# Altium PCB amplifier.PcbDoc (part 2 of 2)
Units mm, origin at the board's own origin, x right, y up, seen from the top; angles counter-clockwise.
Board outline 150 x 200 mm, 2 copper layers (Top Layer, Bottom Layer); 155 components, 78 nets, 357 pads, 31 vias.
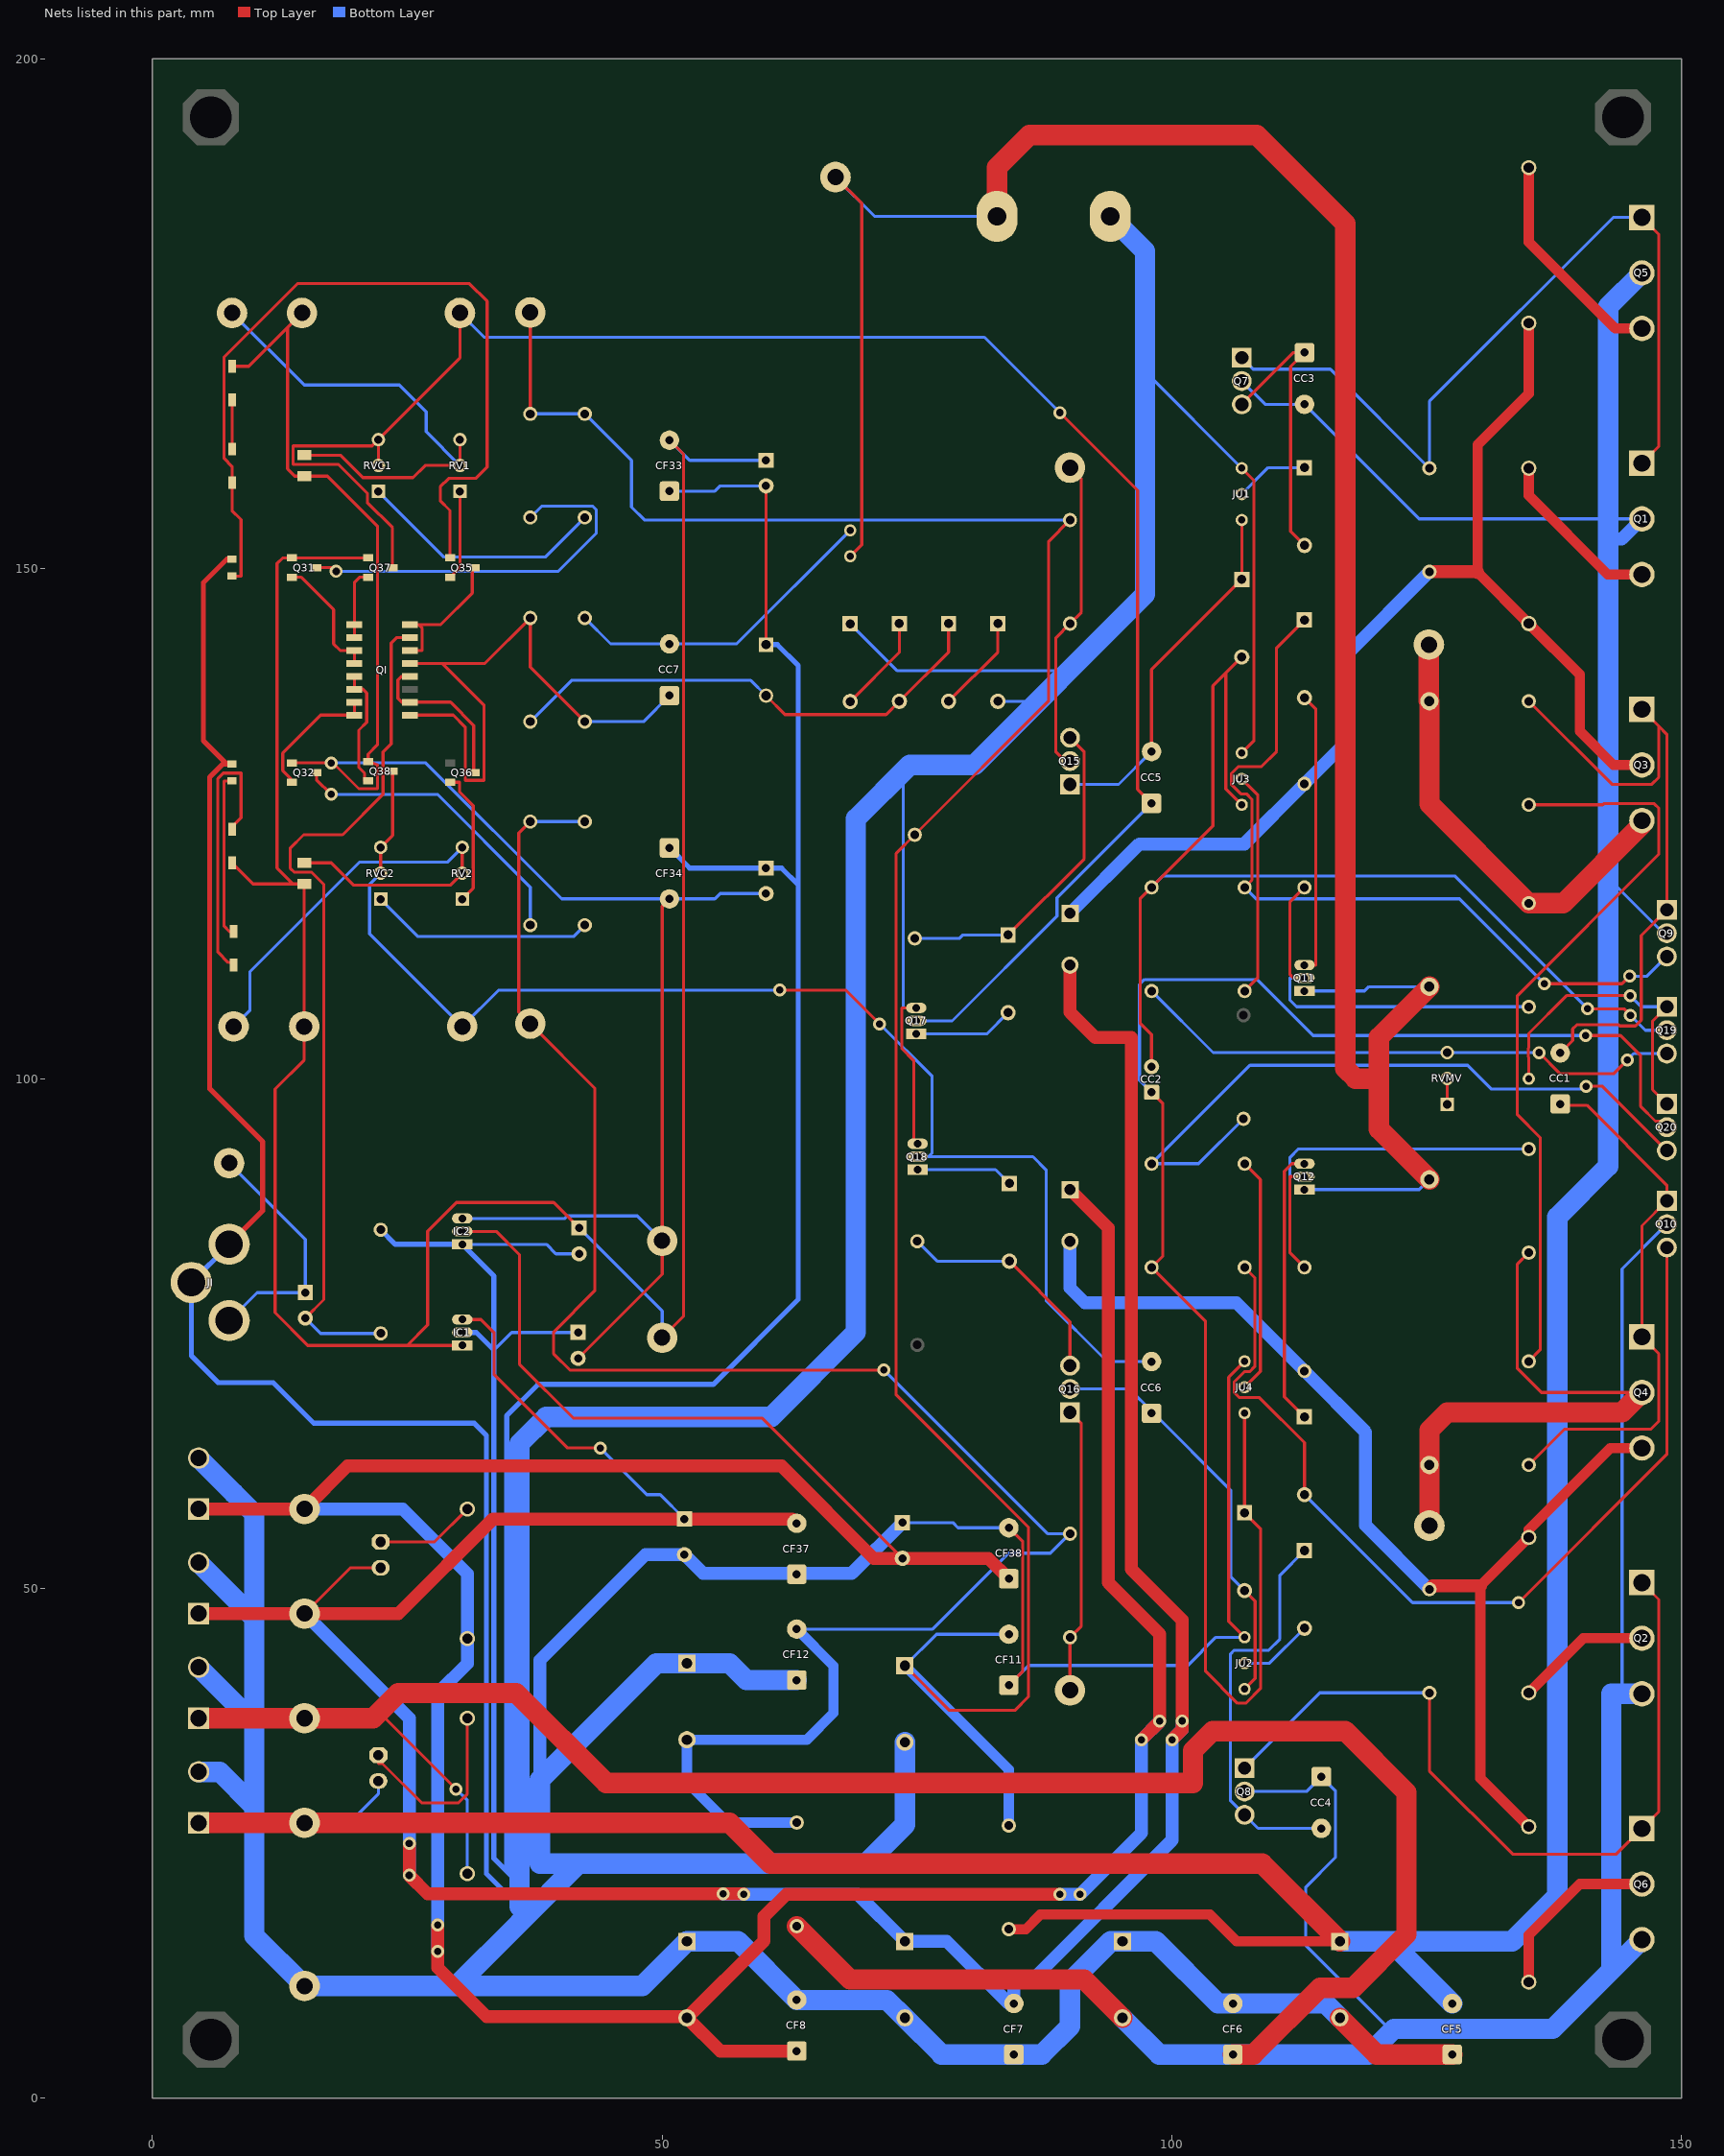
[diagram p2: the nets of this part, all layers, seen from the top]

## Part data
B1 B2 B3 B4: library part C-282822-2-C, "TERMI-BLOK HEADER,ASSY90 2P - serie 282822 - 5.00mm", Manufacturer="TE Connectivity", ComponentLink1 Description=Manufacturer, ComponentLink1URL=http://www.te.com/usa-en/home.html, ComponentLink2 Description=Datasheet, ComponentLink2URL=http://www.te.com/usa-en/product-282822-2.html, Created Date="6 MArch 2017", NoPins=02, partNo=C-282822-2-C
BO: library part 8PCV-02-006, "TE Barrier Terminal Block, 2P", Current=30A, Voltage=600V
CAF: "Aluminum Electrolytic Capacitor 1000µF 16V 20% 105º", Temperature=105ºC, Tolerance=20%, Voltage=16V, Application="Medium and high voltage type range from 160V-450V used as primary side input filter in power supply, which can be used in general switching power supply, PC power supply and industrial computer power supply,server power supply, AC-DC converter, motor drive circuit DC storage filter, digital audio, digital TV, communication base station, DC-AC inverter, inverter power supply and converters etc", Characteristics="Aluminum Electrolytic Capacitor"
CAI: "Aluminum Electrolytic Capacitor 47µF 35V 20% 105º", Temperature=105ºC, Tolerance=20%, Voltage=35V, Application="Medium and high voltage type range from 160V-450V used as primary side input filter in power supply, which can be used in general switching power supply, PC power supply and industrial computer power supply,server power supply, AC-DC converter, motor drive circuit DC storage filter, digital audio, digital TV, communication base station, DC-AC inverter, inverter power supply and converters etc", Characteristics="Aluminum Electrolytic Capacitor"
CC1: "Ceramic Capacitor 10nF 50V 10%", Tolerance=10%, Voltage=50V, Application="Medium and high voltage type range from 160V-450V used as primary side input filter in power supply, which can be used in general switching power supply, PC power supply and industrial computer power supply,server power supply, AC-DC converter, motor drive circuit DC storage filter, digital audio, digital TV, communication base station, DC-AC inverter, inverter power supply and converters etc", Characteristics="Ceramic Capacitor"
CC2: "Ceramic Capacitor 6.8nF 50V 10%", Tolerance=10%, Voltage=50V, Application="Medium and high voltage type range from 160V-450V used as primary side input filter in power supply, which can be used in general switching power supply, PC power supply and industrial computer power supply,server power supply, AC-DC converter, motor drive circuit DC storage filter, digital audio, digital TV, communication base station, DC-AC inverter, inverter power supply and converters etc", Characteristics="Ceramic Capacitor"
CC3 CC4: "Ceramic Capacitor 68pF 50V 10%", Tolerance=10%, Voltage=50V, Application="Medium and high voltage type range from 160V-450V used as primary side input filter in power supply, which can be used in general switching power supply, PC power supply and industrial computer power supply,server power supply, AC-DC converter, motor drive circuit DC storage filter, digital audio, digital TV, communication base station, DC-AC inverter, inverter power supply and converters etc", Characteristics="Ceramic Capacitor"
CC5 CC6: "Ceramic Capacitor 100pF 50V 10%", Tolerance=10%, Voltage=50V, Application="Medium and high voltage type range from 160V-450V used as primary side input filter in power supply, which can be used in general switching power supply, PC power supply and industrial computer power supply,server power supply, AC-DC converter, motor drive circuit DC storage filter, digital audio, digital TV, communication base station, DC-AC inverter, inverter power supply and converters etc", Characteristics="Ceramic Capacitor"
CC7: "Ceramic Capacitor 1.2pF 50V 10%", Tolerance=10%, Voltage=50V, Application="Medium and high voltage type range from 160V-450V used as primary side input filter in power supply, which can be used in general switching power supply, PC power supply and industrial computer power supply,server power supply, AC-DC converter, motor drive circuit DC storage filter, digital audio, digital TV, communication base station, DC-AC inverter, inverter power supply and converters etc", Characteristics="Ceramic Capacitor"
CCF32 CF31: "Aluminum Electrolytic Capacitor 220µF 16V 20% 85º", Temperature=85ºC, Tolerance=20%, Voltage=16V, Application="Medium and high voltage type range from 160V-450V used as primary side input filter in power supply, which can be used in general switching power supply, PC power supply and industrial computer power supply,server power supply, AC-DC converter, motor drive circuit DC storage filter, digital audio, digital TV, communication base station, DC-AC inverter, inverter power supply and converters etc", Characteristics="Aluminum Electrolytic Capacitor"
CF1 CF2 CF3 CF4 CF9 CF10: "Aluminum Electrolytic Capacitor 470µF 100V 20% 105º", Temperature=105ºC, Tolerance=20%, Voltage=100V, Application="Medium and high voltage type range from 160V-450V used as primary side input filter in power supply, which can be used in general switching power supply, PC power supply and industrial computer power supply,server power supply, AC-DC converter, motor drive circuit DC storage filter, digital audio, digital TV, communication base station, DC-AC inverter, inverter power supply and converters etc", Characteristics="Aluminum Electrolytic Capacitor"
CF5 CF6 CF7 CF8 CF11 CF12: "Polyester Capacitor 100nF 100V 10%", Tolerance=10%, Voltage=100V, Application="Medium and high voltage type range from 160V-450V used as primary side input filter in power supply, which can be used in general switching power supply, PC power supply and industrial computer power supply,server power supply, AC-DC converter, motor drive circuit DC storage filter, digital audio, digital TV, communication base station, DC-AC inverter, inverter power supply and converters etc", Characteristics="Polyester Capacitor"
CF33 CF34 CF37 CF38: "Ceramic Capacitor 100nF 50V 10%", Tolerance=10%, Voltage=50V, Application="Medium and high voltage type range from 160V-450V used as primary side input filter in power supply, which can be used in general switching power supply, PC power supply and industrial computer power supply,server power supply, AC-DC converter, motor drive circuit DC storage filter, digital audio, digital TV, communication base station, DC-AC inverter, inverter power supply and converters etc", Characteristics="Ceramic Capacitor"
CF35 CF36: "Aluminum Electrolytic Capacitor 220µF 35V 20% 105º", Temperature=105ºC, Tolerance=20%, Voltage=35V, Application="Medium and high voltage type range from 160V-450V used as primary side input filter in power supply, which can be used in general switching power supply, PC power supply and industrial computer power supply,server power supply, AC-DC converter, motor drive circuit DC storage filter, digital audio, digital TV, communication base station, DC-AC inverter, inverter power supply and converters etc", Characteristics="Aluminum Electrolytic Capacitor"
CF39 CF40: "Tantalum Electrolytic Capacitor 1µF 25V 10%", Tolerance=10%, Voltage=25V, Application="Medium and high voltage type range from 160V-450V used as primary side input filter in power supply, which can be used in general switching power supply, PC power supply and industrial computer power supply,server power supply, AC-DC converter, motor drive circuit DC storage filter, digital audio, digital TV, communication base station, DC-AC inverter, inverter power supply and converters etc", Characteristics="Tantalum Electrolytic Capacitor"
D1 D2: "45 V, 16 A SWITCHMODE(TM) Schottky Power Rectifier, 2-Pin TO-220, Pb-Free, Tube", Manufacturer_Name="ON Semiconductor", ComponentLink1Description="Manufacturer URL", ComponentLink1URL=http://www.onsemi.com/, ComponentLink2Description=Datasheet, ComponentLink2URL=http://www.onsemi.com/pub_link/Collateral/MSR1560-D.PDF, ComponentLink3Description="Package Specification", ComponentLink3URL=http://www.onsemi.com/pub_link/Collateral/221B-04.PDF, Manufacturer_Part_Number=MBR1645
D3 D4: "FAST SWITCHING DIODE", Manufacturer="ON Semiconductors", Power=400mW, ComponentLink1Description="ON Semi. product information", ComponentLink1URL=https://www.onsemi.com/PowerSolutions/product.do?id=1N4148, ComponentLink2Description=Datasheet, ComponentLink2URL=https://www.onsemi.com/pub/Collateral/1N914A-D.pdf, IFM=30mA, PartNumber=1N4148, VR=71V
D5 D6 D31 D32 D33 D34: library part 1N4148, "FAST SWITCHING DIODE", Manufacturer="ON Semiconductors", Power=400mW, ComponentLink1Description="ON Semi. product information", ComponentLink1URL=https://www.onsemi.com/PowerSolutions/product.do?id=1N4148, ComponentLink2Description=Datasheet, ComponentLink2URL=https://www.onsemi.com/pub/Collateral/1N914A-D.pdf, IFM=30mA, PartNumber=1N4148, VR=71V
D35 D36 D37 D38: "SURFACE MOUNT FAST SWITCHING DIODE", Manufacturer="Diodes Incorporated", Power=400mW, ComponentLink1Description="DIODES INC. product information", ComponentLink1URL=https://www.diodes.com/products/discrete/diodes-and-rectifiers/diodes/small-signal-switching-diodes/part/1N4148W, ComponentLink2Description=Datasheet, ComponentLink2URL=https://www.diodes.com/assets/Datasheets/ds30086.pdf, IFM=30mA, PartNumber=1N4148W, VR=71V
DZ1 DZ2: "Zener Diode, 2.7V, 500mW", Manufacturer=Microsemi, Power=500mW, Code_JEDEC=DO-204-AH, ComponentLink2Description=Datasheet, ComponentLink2URL=https://www.microsemi.com/document-portal/doc_download/5906-1n746-759a-4370-4372a-datasheet, ComponentLink3Description="Microsemi product information", ComponentLink3URL=https://www.microsemi.com/existing-parts/parts/121290#resources, DatasheetDocument=1997, IZT=20mA, LatestRevisionDate=17-Jul-2002, LatestRevisionNote="Re-released for DXP Platform.", PackageReference=DO-35, PartNumber=1N4371A, Published=8-Jun-2000, Publisher="Altium Limited", ZV=2.7V
DZ3 DZ4: "Zener Diode, 22V, 500mW", Manufacturer=Microsemi, Power=500mW, Code_JEDEC=DO-204-AH, ComponentLink2Description=Datasheet, ComponentLink2URL=https://www.microsemi.com/document-portal/doc_download/5906-1n746-759a-4370-4372a-datasheet, ComponentLink3Description="Microsemi product information", ComponentLink3URL=https://www.microsemi.com/existing-parts/parts/121290#resources, DatasheetDocument=1997, IZT=20mA, LatestRevisionDate=17-Jul-2002, LatestRevisionNote="Re-released for DXP Platform.", PackageReference=DO-35, PartNumber=1N969B, Published=8-Jun-2000, Publisher="Altium Limited", ZV=22V
IC1: "5V fixed regulator - 100mA", Manufacturer_Part_Number=LM7805, Height=4.7mm
IC2: "-5V fixed regulator - 100mA", Manufacturer_Part_Number=LM7805, Height=4.7mm
JI: library part PJRAN1X1U01X, "Conn Phono Jack F 3 POS Solder RA Thru-Hole 3 Terminal 1 Port", Package=None, Availability=Unavailable, MF=Switchcraft, MP=PJRAN1X1U01X, Price=None, SnapEDA_Link=https://www.snapeda.com/parts/PJRAN1X1U01X/Switchcraft%20Inc./view-part/?ref=snap
JU1 JU2 JU3 JU4 JU5 TPMIDMV: "Jumper Wire", LatestRevisionDate=17-Jul-2002, LatestRevisionNote="Re-released for DXP Platform.", PackageDescription="Radial Cap, Thru-Hole; 2 Leads; 0.2 in Pin Spacing", PackageReference=RAD-0.2, Published=24-Mar-1999, Publisher="Altium Limited"
LED1: library part "LED (GREEN)", "Typical LED (GREEN)", Publisher="Altium Limited"
LED2: library part "LED (YELLOW)", "Typical LED (YELLOW)", Publisher="Altium Limited"
Q1 Q3 Q5: "Transistor GP BJT NPN 230V 15A 3-Pin_3+Tab_ TO-264 Tube", Manufacturer=Toshiba, Power=150W, ComponentLink1Description="Toshiba product information", ComponentLink1URL=https://toshiba.semicon-storage.com/ap-en/product/bipolar-transistor/bipolar-transistor/detail.2SC5200.html, ComponentLink2Description=Datasheet, ComponentLink2URL=https://toshiba.semicon-storage.com/info/docget.jsp?did=20668&prodName=2SC5200, IC=15A, PartNumber=2SC5200, VCBO=230V, VCEO=230V
Q2 Q4 Q6: "Transistor GP BJT PNP 230V 15A 3-Pin_3+Tab_ TO-264 Tube", Manufacturer=Toshiba, Power=150W, ComponentLink1Description="Toshiba product information", ComponentLink1URL=https://toshiba.semicon-storage.com/ap-en/product/bipolar-transistor/bipolar-transistor/detail.2SA1943.html, ComponentLink2Description=Datasheet, ComponentLink2URL=https://toshiba.semicon-storage.com/info/docget.jsp?did=20426&prodName=2SA1943, IC=-15A, PartNumber=2SA1943, VCBO=-230V, VCEO=-230V
Q7 Q9 Q15 Q16 Q19: "Plastic Medium-Power NPN Silicon Transistor, 300 VOLTS, 0.5 AMPERE, 20 WATTS", Manufacturer="ON Semiconductor", Power=20W, ComponentLink1Description="ON semiconductor product information", ComponentLink1URL=https://www.onsemi.com/PowerSolutions/product.do?id=MJE340G, ComponentLink2Description=Datasheet, ComponentLink2URL=https://www.onsemi.com/pub/Collateral/MJE340-D.PDF, IC=500mA, PartNumber=MJE340G, VCB=300V, VCEO=300V
Q8 Q10 Q20: "Plastic Medium-Power PNP Silicon Transistor, 300 VOLTS, 0.5 AMPERE, 20 WATTS", Manufacturer="ON Semiconductor", Power=20W, ComponentLink1Description="ON semiconductor product information", ComponentLink1URL=https://www.onsemi.com/PowerSolutions/product.do?id=MJE350G, ComponentLink2Description=Datasheet, ComponentLink2URL=https://www.onsemi.com/pub/Collateral/MJE350-D.PDF, IC=500mA, PartNumber=MJE350G, VCB=300V, VCEO=300V
Q11 Q18 Q31 Q35 Q37: "High Voltage NPN Bipolar Transistor", Manufacturer="ON Semiconductor", PartNumber=MJE340G, Power=20W, ComponentLink1Description="ON semiconductor product information", ComponentLink2Description=Datasheet, IC=500mA, VCB=300V, VCEO=300V
  Q11 Q18: ComponentLink1URL=https://www.onsemi.com/PowerSolutions/product.do?id=MPSA42, ComponentLink2URL=https://www.onsemi.com/pub/Collateral/MPSA42-D.PDF
  Q31 Q35 Q37: ComponentLink1URL=https://www.onsemi.com/PowerSolutions/product.do?id=MMBTA42, ComponentLink2URL=https://www.onsemi.com/pub/Collateral/PZTA42-D.pdf
Q12 Q17 Q32 Q36 Q38: "High Voltage PNP Bipolar Transistor", Manufacturer="ON Semiconductor", PartNumber=MJE340G, Power=20W, ComponentLink1Description="ON semiconductor product information", ComponentLink2Description=Datasheet, IC=500mA, VCB=300V, VCEO=300V
  Q12 Q17: ComponentLink1URL=https://www.onsemi.com/PowerSolutions/product.do?id=MPSA92, ComponentLink2URL=https://www.onsemi.com/pub/Collateral/MPSA92-D.PDF
  Q32 Q36 Q38: ComponentLink1URL=https://www.onsemi.com/PowerSolutions/product.do?id=MMBTA92, ComponentLink2URL=https://www.onsemi.com/pub/Collateral/PZTA92-D.pdf
QI: library part MMPQ6700, "Quad NPN and PNP General-Purpose Amplifier", Manufacturer="ON Semiconductor", Power=180mW, ComponentLink1Description="ON semiconductor product information", ComponentLink1URL=https://www.onsemi.com/PowerSolutions/product.do?id=MMPQ6700, ComponentLink2Description=Datasheet, ComponentLink2URL=https://www.onsemi.com/pub/Collateral/MMPQ6700-D.PDF, IC=200mA, PartNumber=MMPQ6700, VCB=40V, VCEO=40V
R1 R2 R5 R6: "Resistor 0.1O 2W 5%", Power=2W, Tolerance=5%, Type="(TH) Carbon film"
R3 R4: "Cemented resistor 0.15O 5% 5W", Power=5W, Tolerance=5%, Type="(TH) Wired cemented"
R7 R8: "Resistor 68O 1/4W 1%", Power=1/4W, Tolerance=1%, Type="(TH) Metal film"
R9 R10 R11 R12 R17 R18: "Resistor 100O 1/4W 1%", Power=1/4W, Tolerance=1%, Type="(TH) Metal film"
R13 R14: "Resistor 22KO 1/4W 1%", Power=1/4W, Tolerance=1%, Type="(TH) Metal film"
R15 R16: "Resistor 30O 1/4W 1%", Power=1/4W, Tolerance=1%, Type="(TH) Metal film"
R19 R20: "Resistor 360O 1/4W 1%", Power=1/4W, Tolerance=1%, Type="(TH) Metal film"
R21 R22: "Resistor 510O 1/4W 1%", Power=1/4W, Tolerance=1%, Type="(TH) Metal film"
R31 R32: "Resistor 16KO 1/4W 1%", Power=1/4W, Tolerance=1%, Type="(TH) Metal film"
R33 R34: library part RC0805FR-07150RL, "RES 150R SM0805 YAGEO RC_L", Manufacturer=Yageo, Package=0805, Power (Watts)=0.125, Resistance (Ohms)=150, Supplier Part Number 1=9237380, Tolerance (%)=1, Category=Resistor, ComponentLink1Description="Manufacturer Website", ComponentLink1URL=http://www.yageo.com, Manufacturer Part Number=RC0805FR-07150RL, Supplier 1=Farnell, Supplier 2=Digi-Key, Supplier Part Number 2=311-150CRCT-ND
R35 R36: "Resistor 15KO 1/4W 1%", Power=1/4W, Tolerance=1%, Type="(TH) Metal film"
R37 R38: library part RC0603FR-071K2L, "RES 1K2 SM0603 YAGEO RC_L", Manufacturer=Yageo, Package=0603, Power (Watts)=0.1, Resistance (Ohms)=1200, Supplier Part Number 1=9238492, Tolerance (%)=1, Category=Resistor, ComponentLink1Description="Manufacturer Website", ComponentLink1URL=http://www.yageo.com, Manufacturer Part Number=RC0603FR-071K2L, Supplier 1=Farnell, Supplier 2=Digi-Key, Supplier Part Number 2=311-1.20KHRCT-ND
RF1 RF2: "Resistor 15O 1/4W 1%", Power=1/4W, Tolerance=1%, Type="(TH) Metal film"
RFB1 RIOF: "Resistor 36KO 1/4W 1%", Power=1/4W, Tolerance=1%, Type="(TH) Metal film"
RFB2: "Resistor 1.3kO 1/4W 1%", Power=1/4W, Tolerance=1%, Type="(TH) Metal film"
RL1: "Resistor 20KO 1W 5%", Power=1W, Tolerance=5%, Type="(TH) Carbon film"
RL2: "Resistor 5.6KO 1/2W 5%", Power=1/2W, Tolerance=5%, Type="(TH) Metal film"
RMVM: "Resistor 1.2kO 1/4W 1%", Power=1/4W, Tolerance=1%, Type="(TH) Metal film"
RV1 RV2: library part RES_TRIMMER_100_25T_VERTICAL, Ratings="1/2W; ±100ppm/°C", Tolerance=±10%, Material=Cermet
RVC1 RVC2: library part RES_TRIMMER_2K_25T_VERTICAL, Ratings="1/2W; ±100ppm/°C", Tolerance=±10%, Material=Cermet
RVMV: library part RES_TRIMMER_1K_25T_VERTICAL, Ratings="1/2W; ±100ppm/°C", Tolerance=±10%, Material=Cermet
TP1 TP2 TP3 TP4 TP5 TP6 TP7 TP8 TP9 TP10 TP11 TP12 TP+HV TP+LV TP+RLV TP-HV TP-LV TP-RLV TPGND TPIN TPOUT: "Test Point PCB mount Multi-purpose Black", Manufacturer 1="Keystone Electronics", Manufacturer Part Number 1=5014, PBL Part Number=3100-xxx, Supplier Part Number 1=5014K-ND, Description 1="TEST POINT PC MULTI PURPOSE YEL", Material="Base, Nylon 46, UL 94V-0", Mounting Type="0.063\" (1.600mm) Hole Diameter", Supplier 1=Digi-Key

## Free pads (board coordinates)
  oct 5.5x5.5 hole 4.1: -(5.75,5.75) -(5.75,194.25) -(144.25,5.75) -(144.25,194.25)

## Via types
v1: diameter 1.27, hole 0.711, Top Layer to Bottom Layer, 31 vias

## Nets (pads, with @x,y where several pads share a name; then routed paths per layer and width w, separated by ;. In a path a pad name is that pad's centre, name@x,y a point inside that pad or via, vN(x,y) a via of type N, cw(c..) or ccw(c..) an arc to the next point about the centre after c; other vN are vias at no path point)
+HV: B1.1 CC3.2 CF1.1 CF5.2 LED1.A Q1.2 Q5.2 Q7.2 Q9.2 RF1.2 TP+HV.1 | length 448.7
  Top Layer w1: RF1.2@84,16.571 85.652,16.571 87.081,18 103.727,18 106.35,15.377 CF1.1@116.477,15.377
  Top Layer w2: B1.1@4.54,27 TP+HV.1@14.925,27 56.621,27 60.621,23 107.652,23 108.854,23 CF1.1@116.477,15.377
  Bottom Layer w0.3: TP+HV.1@14.925,27 19.32,27 22.165,29.845 LED1.A@22.165,31.1 ; Q7.2@106.85,168.4 109.14,166.11 CC3.2@113,166.11 124.235,154.875 142.775,154.875 Q1.2@146.1,154.875 144.125,152.9 142.773,151.548 142.773,119.667 148.365,114.075 Q9.2@148.54,114.25 ; 142.775,112 142.775,112.025
  Bottom Layer w1.27: 142.775,152.9 144.125,152.9 Q1.2@146.1,154.875
  Bottom Layer w2: CF1.1@116.477,15.377 121.41,15.377 ; CF5.2@127.5,9.287 121.41,15.377 ; 142.775,112 142.775,91.385 137.805,86.415 137.805,19.805 133.377,15.377 121.41,15.377 ; 142.775,112.025 142.775,152.9 142.775,154.875 142.775,175.675 Q5.2@146.1,179
+HVF: CF9.1 CF11.2 R15.2 R19.2 R31.2 R35.2 RF1.1 TP5.1 | length 243.6
  Top Layer w0.3: R31.2@37.065,165.182 TP5.1@37.065,175.127 ; CF9.1@73.808,42.41 78.195,38.024 84.582,38.024 85.928,39.37 85.928,55.982 72.949,68.961 72.949,122.079 R19.2@74.775,123.905 87.909,137.039 87.909,152.679 R15.2@90,154.77
  Bottom Layer w0.3: R31.2@37.065,165.182 R35.2@42.415,165.182 46.99,160.607 46.99,156.04 48.26,154.77 R15.2@90,154.77
  Bottom Layer w0.305: CF9.1@73.808,42.41 76.898,45.5 CF11.2@84,45.5
  Bottom Layer w1: CF9.1@73.808,42.41 84,32.219 RF1.1@84,26.731
+LV: B3.1 CF3.1 CF7.2 CF35.1 CF37.2 D1.3 IC1.3 LED2.A TP+LV.1 | length 322.6
  Top Layer w0.3: TP+LV.1@14.925,47.52 19.415,52.01 LED2.A@22.39,52.01 ; IC1.3@30.39,76.365 32.23,76.365 33.5,75.095 33.5,71 40.74,63.76 v1(43.924,63.76)
  Top Layer w1.27: B3.1@4.54,47.52 TP+LV.1@14.925,47.52 24.127,47.52 33.412,56.805 CF35.1@52.189,56.805 62.775,56.805 CF37.2@63.2,56.38 ; LED2.A@22.304,51.924 LED2.A@22.39,52.01 ; v1(25.188,25) v1(25.188,21.852) 27,20.04 v1(56,20.04) v1@58,20.04 ; D1.3@90,111.12 90,106.5 92.5,104 96,104 96,51.888 101,46.888 101,36.15 v1(100,35.15)
  Bottom Layer w0.3: v1(43.924,63.76) 48.494,59.19 49.804,59.19 CF35.1@52.189,56.805
  Bottom Layer w1.27: TP+LV.1@14.925,47.52 25.188,37.257 v1(25.188,25) v1(25.188,21.852) ; v1@56,20 v1(58,20) 69.185,20 CF3.1@73.808,15.377 77.91,15.377 84,9.287 CF7.2@84.25,9.537 ; CF7.2@84.5,9.287 84.5,11.797 86.51,11.797 100,25.287 v1(100,35.15) 101,36.15 v1(101,37)
+RLV: CF31.1 CF33.2 CF39.1 D38.2 IC1.1 Q31.1 Q37.1 R34.1 TP12.1 TP+RLV.1 | length 255.1
  Top Layer w0.3: D38.2@7.815,121.141 9.869,119.087 13.792,119.087 ; Q37.1@21.165,151.052 Q31.1@13.69,151.052 12.776,151.052 12.232,150.508 12.232,120.647 13.792,119.087 ; IC1.1@30.39,73.825 25,73.825 ; CF39.1@41.85,85.345 39.362,87.833 29.82,87.833 27,85.014 27,75.825 25,73.825 ; TP+RLV.1@50,74.573 52.095,76.669 52.095,161.221 CF33.2@50.715,162.602 ; 13.792,119.087 R34.1@14.89,119.087 TP12.1@14.89,105.102 14.89,101.829 12.029,98.967 12.029,77.036 15.24,73.825 25,73.825
  Bottom Layer w0.3: CF39.1@41.85,85.345 50,77.195 TP+RLV.1@50,74.573 ; CF33.2@50.715,162.602 52.697,160.62 CF31.1@60.19,160.62
-HV: B2.1 CC4.1 CF2.2 CF6.1 Q2.3 Q6.3 Q8.2 Q10.2 RF2.2 RL1.1 TP-HV.1 | length 402.6
  Top Layer w0.3: TP-HV.1@14.925,37.26 21.65,37.26 22.836,37.26 v1(29.794,30.302)
  Top Layer w2: B2.1@4.54,37.26 TP-HV.1@14.925,37.26 21.65,37.26 24.127,39.737 35.687,39.737 44.508,30.915 102.075,30.915 102.075,34.075 104,36 117,36 123,30 123,16.062 117.764,10.826 114.539,10.826 108,4.287 CF6.1@105.977,4.287 ; RF2.2@63.2,16.872 68.425,11.647 91.383,11.647 CF2.2@95.153,7.877
  Bottom Layer w0.3: v1(29.794,30.302) 30.89,29.206 RL1.1@30.89,22.02 ; Q8.2@107.125,30.08 113.19,30.08 CC4.1@114.65,31.54 116.027,30.163 116.027,23.597 113.132,20.701 113.132,14.972 121.322,6.782 ; 143.104,38.178 144.156,39.23 144.156,39.655 144.156,81.326 Q10.2@148.54,85.71
  Bottom Layer w2: CF2.2@95.153,7.877 98.743,4.287 CF6.1@105.977,4.287 119.277,4.287 121.777,6.787 137.337,6.787 143.095,12.545 ; Q6.3@146.1,15.55 143.095,12.545 ; Q2.3@146.1,39.655 144.156,39.655 143.095,39.655 143.095,12.545
-HVF: CF10.2 CF12.2 R16.2 R32.2 R36.2 RF2.1 TP6.1 | length 193.1
  Top Layer w0.3: R32.2@37.065,125.194 35.941,124.07 35.941,106.501 TP6.1@37.065,105.377 43.383,99.059 43.383,79.172 39.362,75.15 39.362,72.982 40.945,71.399 v1(71.755,71.399)
  Bottom Layer w0.3: R32.2@37.065,125.194 R36.2@42.415,125.194 ; CF12.2@63.2,46 76.531,46 83.972,53.442 88.082,53.442 R16.2@90,55.36 87.794,55.36 v1(71.755,71.399)
  Bottom Layer w1: RF2.1@63.2,27.032 56.391,27.032 52.433,30.99 CF10.2@52.433,35.15 64.187,35.15 66.8,37.763 66.8,42.4 CF12.2@63.2,46
-LV: B4.1 CF4.2 CF8.1 CF36.2 CF38.1 D2.1 IC2.2 RL2.1 TP-LV.1 | length 374.3
  Top Layer w0.3: IC2.2@30.39,85.004 33.73,85.004 36,82.734 36,72 41.324,66.676 59.829,66.676 CF36.2@73.564,52.94
  Top Layer w1.27: B4.1@4.54,57.775 TP-LV.1@14.925,57.775 19.15,62 61.705,62 70.765,52.94 CF36.2@73.564,52.94 82,52.94 CF38.1@84,50.94 ; v1(28,14.397) v1(28,17) 28,12.794 32.794,8 52.31,8 CF4.2@52.433,7.877 ; CF8.1@63.2,4.627 55.683,4.627 CF4.2@52.433,7.877 ; v1(89,20) 62.184,20 60,17.816 60,15.444 CF4.2@52.433,7.877 ; D2.1@90,89.1 93.755,85.345 93.755,50.555 98.81,45.5 v1(98.81,36.96) v1(97,35.15)
  Bottom Layer w1.27: TP-LV.1@14.925,57.775 24.54,57.775 30.89,51.425 RL2.1@30.89,45.075 30.89,42.613 28,39.723 v1(28,17) v1(28,14.397) ; v1(89,20) v1(91,20) 97,26 v1(97,35.15) v1(98.81,36.96)
-RLV: CCF32.2 CF34.2 CF40.2 D37.1 IC2.3 Q32.1 Q38.1 R33.1 TP11.1 TP-RLV.1 | length 188
  Top Layer w0.3: D37.1@7.815,169.85 9.448,169.85 13.257,173.659 ; Q32.1@13.69,130.952 v1(17.551,130.952) ; TP11.1@14.675,175.077 13.257,173.659 ; v1@17.932,130.962 17.932,130.581 18.083,130.581 20.244,128.421 22.069,128.421 22.069,130.774 Q38.1@21.165,131.075 21.158,131.075 21.158,131.801 22.073,132.715 22.073,154.181 17.179,159.075 R33.1@14.89,159.075 13.97,159.075 13.257,159.788 13.257,173.659 ; CF40.2@41.75,72.555 50,80.805 TP-RLV.1@50,84.075 50,116.899 CF34.2@50.715,117.614
  Bottom Layer w0.3: v1(17.551,130.952) v1@17.932,130.952 ; v1@17.932,130.962 v1@17.932,130.952 ; IC2.3@30.39,86.274 40.452,86.274 40.691,86.512 47.563,86.512 TP-RLV.1@50,84.075 ; CCF32.2@60.19,118.132 55.687,118.132 55.169,117.614 CF34.2@50.715,117.614 40.145,117.614 26.808,130.952 v1@17.932,130.952
GND: B1.2 B2.2 B3.2 B4.2 BO.2 CAF.1 CCF32.1 CF1.2 CF2.1 CF3.2 CF4.1 CF5.1 CF6.2 CF7.1 CF8.2 CF9.2 CF10.1 CF11.1 CF12.1 CF31.2 CF33.1 CF34.1 CF35.2 CF36.1 CF37.1 CF38.2 CF39.2 CF40.1 D32.2 D34.1 IC1.2 IC2.1 JI.1 JI.2 JU1.3 JU2.3 JU3.3 JU4.3 Q17.3 Q18.3 R37.2 R38.2 RIOF.2 TPGND.1 | length 1220.1
  Top Layer w0.3: 7.302,130.829 R38.2@7.815,130.829 ; 7.302,150.929 R37.2@7.815,150.929 ; CAF.1@60.19,142.546 CF31.2@60.19,158.12 ; Q17.3@74.925,106.92 73.508,106.92 73.508,102.946 74.676,101.778 74.676,93.6 Q18.3@75.05,93.6 ; CF11.1@84,40.5 85.369,41.869 85.369,54.571 CF38.2@84,55.94 ; JU3.3@106.85,131.92 108.026,133.096 108.026,158.674 JU1.3@106.85,159.85 ; JU2.3@107.125,45.2 105.567,46.758 105.567,70.702 JU4.3@107.125,72.26
  Top Layer w0.5: 7.302,150.929 5,148.626 5,133.131 7.302,130.829 6.902,130.829 5.613,129.54 5.613,99 10.825,93.788 10.825,87.05 JI.2@7.525,83.75
  Top Layer w2: CF1.2@116.477,7.877 120.067,4.287 CF5.1@127.5,4.287
  Bottom Layer w0.3: JI.2@7.525,83.7 JI.2@7.525,83.75 ; 8,59.315 8.166,59.315 ; IC2.1@30.39,83.734 38.647,83.734 39.576,82.805 CF39.2@41.85,82.805 ; 33.5,73.346 35.249,75.095 CF40.1@41.75,75.095 ; 36,17.206 36,18.785 ; 48.854,53.305 CF35.2@52.189,53.305 ; CF33.1@50.715,157.602 55.169,157.602 55.687,158.12 CF31.2@60.19,158.12 ; D32.2@68.44,144.588 73.028,140 89.878,140 ; CF36.1@73.564,56.44 78.511,56.44 79.011,55.94 CF38.2@84,55.94 ; 73.66,130.759 73.66,106.92 Q17.3@74.925,106.92 ; D34.1@82.921,136.99 86.868,136.99 86.878,137 ; CF11.1@84,40.5 85.943,42.443 101.561,42.443 104.318,45.2 JU2.3@107.125,45.2 ; 97.463,169.237 JU1.3@106.85,159.85
  Bottom Layer w0.5: JI.2@7.525,83.7 JI.1@3.825,80 3.825,72.8 6.447,70.178 11.851,70.178 15.847,66.182 31.583,66.182 32.765,65 32.765,22.02 36,18.785 36,17.206 ; RIOF.2@22.39,85.162 23.818,83.734 IC2.1@30.39,83.734 33.5,80.624 33.5,75.095 33.5,23.5 36,21 ; IC1.2@30.39,75.095 31.751,75.095 33.5,73.346 ; 34.75,22.25 34.75,66.93 37.82,70 55.001,70 63.339,78.338 63.339,119 ; CF34.1@50.715,122.614 52.697,120.632 CCF32.1@60.19,120.632 61.707,120.632 63.339,119 ; CAF.1@60.19,142.546 61.298,142.546 63.339,140.505 63.339,119
  Bottom Layer w1.27: 38,31.211 38,42.943 48.362,53.305 CF35.2@52.189,53.305 54.007,51.487 68.61,51.487 CF36.1@73.564,56.44
  Bottom Layer w2: B1.2@4.54,32 6.597,32 10,28.597 ; B2.2@4.54,42.26 10,36.8 ; B3.2@4.54,52.52 10,47.06 ; B4.2@4.54,62.775 8,59.315 10,57.315 10,47.06 ; 29.794,11 36,17.206 41.794,23 ; 36,18.785 36,21 36,64.182 38.628,66.81 60.71,66.81 69,75.1 69,125.469 74.281,130.75 80.628,130.75 97.365,147.487 97.365,181.135 BO.2@93.95,184.55 ; CF12.1@63.2,41 58.264,41 56.614,42.65 CF10.1@52.433,42.65 49.439,42.65 38,31.211 38,23 70,23 73.808,26.808 CF9.2@73.808,34.91 ; CF1.2@116.477,7.877 115.067,9.287 113.59,9.287 104.5,9.287 98.41,15.377 94,15.377 90,11.377 90,7.044 87.244,4.287 84,4.287 77.398,4.287 CF3.2@73.808,7.877 72.058,9.627 CF8.2@63.2,9.627 57.45,15.377 CF4.1@52.433,15.377 48.056,11 26,11 TPGND.1@14.925,11 10,15.925 10,28.597 ; 10,28.597 10,36.8 ; 10,36.8 10,47.06
H/2OutNet1: Q1.3 R1.2 | length 17
  Top Layer w1: R1.2@135,159.85 135,157.175 142.75,149.425 Q1.3@146.1,149.425
H/2OutNet2: Q2.2 R2.1 | length 13.3
  Top Layer w1: R2.1@135,39.75 140.355,45.105 Q2.2@146.1,45.105
H/2OutNet3: D1.1 Q3.2 R1.1 R5.1 R9.1 R13.2 | length 112.6
  Top Layer w1: R5.1@135,174.08 135,167.175 129.975,162.15 129.975,149.635 R1.1@135,144.61 140,139.61 140,134.065 143.315,130.75 Q3.2@146.1,130.75
  Top Layer w1.27: R9.1@125.25,149.69 129.92,149.69 129.975,149.635
  Bottom Layer w1.27: D1.1@90,116.2 96.8,123 107.1,123 R13.2@113,128.9 117,132.9 117,141.44 R9.1@125.25,149.69
H/2OutNet4: D2.3 Q4.3 R2.2 R6.2 R10.2 R14.1 | length 110
  Top Layer w1: R6.2@135,26.62 130.25,31.37 130.25,50.24 R2.2@135,54.99 135,55.76 143,63.76 Q4.3@146.1,63.76
  Top Layer w1.27: R10.2@125.25,49.91 125.58,50.24 130.25,50.24
  Bottom Layer w1.27: D2.3@90,84.02 90,79.45 91.45,78 106.32,78 R14.1@113,71.32 119,65.32 119,56.16 R10.2@125.25,49.91
H/2OutNet5: Q5.3 R5.2 | length 21.9
  Top Layer w1: R5.2@135,189.32 135,182.025 143.475,173.55 Q5.3@146.1,173.55
H/2OutNet6: Q6.2 R6.1 | length 17.8
  Top Layer w1: R6.1@135,11.38 135,16 140,21 Q6.2@146.1,21
HOutNet0: BO.1 JU5.2 Q11.1 Q12.1 R3.2 R4.1 TPOUT.1 | length 234.7
  Top Layer w0.3: TPOUT.1@67,188.4 69.571,185.829 69.571,152.342 JU5.2@68.44,151.212
  Top Layer w2: BO.1@82.84,184.55 82.84,189.34 86.025,192.525 108.325,192.525 117,183.85 117,100.988 118,99.988 120.306,99.988 ; R4.1@125.25,90.1 120.306,95.044 120.306,99.988 ; R3.2@125.25,109 120.306,104.056 120.306,99.988
  Bottom Layer w0.3: TPOUT.1@67,188.4 70.85,184.55 BO.1@82.84,184.55 ; Q12.1@113,89.1 124.25,89.1 R4.1@125.25,90.1 ; Q11.1@113,108.58 118.897,108.58 119.317,109 R3.2@125.25,109
HOutNet1: Q3.3 R3.1 R7.2 TP1.1 | length 44.1
  Top Layer w2: TP1.1@125.2,142.55 125.2,137.05 R3.1@125.25,137 125.25,126.937 R7.2@135,117.187 138.372,117.187 146.1,124.914 Q3.3@146.1,125.3
HOutNet2: Q4.2 R4.2 R8.1 TP2.1 | length 56.8
  Top Layer w0.3: R8.1@135,82.92 133.883,81.803 133.883,71.564 136.238,69.21 Q4.2@146.1,69.21
  Top Layer w2: TP2.1@125.25,56.15 R4.2@125.25,62.1 125.25,65.51 127,67.26 144.15,67.26 Q4.2@146.1,69.21
NEG_DIFF_OUT: CC6.2 Q18.2 Q38.3 RVC2.1 RVC2.2 TP8.1 | length 127.6
  Top Layer w0.3: RVC2.2@22.39,120.127 RVC2.1@22.39,122.667 23.565,123.842 Q38.3@23.565,130.125 ; v1(61.519,108.661) 68.021,108.661 v1(71.323,105.359)
  Bottom Layer w0.3: RVC2.2@22.39,120.127 21.311,119.047 21.311,114.181 TP8.1@30.39,105.102 33.949,108.661 v1(61.519,108.661) ; v1(71.323,105.359) 76.479,100.203 76.479,92.71 76.099,92.33 ; Q18.2@75.05,92.33 76.099,92.33 ; CC6.2@98,72.24 93.647,72.24 87.655,78.232 87.655,91.035 86.36,92.33 76.099,92.33
NetCAF_2: CAF.2 D31.1 D33.2 RFB2.1 | length 49.4
  Top Layer w0.3: CAF.2@60.19,137.546 62.05,135.687 71.964,135.687 D31.1@73.267,136.99 78.094,141.817 D33.2@78.094,144.61
  Bottom Layer w0.3: RFB2.1@37.065,134.997 41.108,139.04 58.697,139.04 CAF.2@60.19,137.546
NetCAI_1: CAI.1 JI.3 TPIN.1 | length 24.4
  Bottom Layer w0.3: JI.3@7.525,76.25 10.275,79 CAI.1@15,79 15,84.225 TPIN.1@7.525,91.7
NetCAI_2: CAI.2 QI.15 RIOF.1 | length 85.7
  Top Layer w0.3: CAI.2@15,76.5 16.815,78.315 16.815,119.037 15.634,120.218 13.94,120.218 13.511,120.647 13.511,122.575 14.837,123.901 18.658,123.901 22.623,127.867 22.623,132.021 23.419,132.817 23.419,142.697 23.973,143.252 QI.15@25.265,143.252
  Bottom Layer w0.3: CAI.2@15,76.5 16.498,75.002 RIOF.1@22.39,75.002
NetCC1_1: CC1.1 Q4.1 Q10.1 R12.1 | length 53.1
  Top Layer w0.3: R12.1@135,62.1 138.508,65.608 146.99,65.608 147.752,66.37 147.752,73.008 Q4.1@146.1,74.66 146.1,85.56 Q10.1@148.54,88 148.54,89.535 140.7,97.375 CC1.1@138.083,97.375
NetCC1_2: CC1.2 Q3.1 Q9.1 R11.2 | length 64
  Top Layer w0.3: R11.2@135,137 143.146,128.854 147.066,128.854 147.752,129.54 147.752,134.548 ; CC1.2@138.083,102.5 139.3,103.717 139.3,104.856 139.7,105.256 143.835,105.256 143.932,105.158 145.455,105.158 146.025,105.727 146.025,114.025 Q9.1@148.54,116.54 148.54,133.76 147.752,134.548 ; Q3.1@146.1,136.2 147.752,134.548
NetCC3_1: CC3.1 D3.1 Q7.3 | length 28.3
  Top Layer w0.3: Q7.3@106.85,166.11 111.93,171.19 CC3.1@113,171.19 111.633,169.823 111.633,153.647 D3.1@113,152.28
NetCC4_2: CC4.2 D4.2 Q8.3 | length 39.6
  Bottom Layer w0.3: D4.2@113,53.705 110.592,51.297 110.592,45.034 109.474,43.917 106.096,43.917 105.74,43.561 105.74,29.175 Q8.3@107.125,27.79 108.455,26.46 CC4.2@114.65,26.46
NetCC5_2: CC5.2 DZ1.2 JU1.1 Q15.1 | length 35.7
  Top Layer w0.3: CC5.2@98,132.065 98,140.1 DZ1.2@106.85,148.95 JU1.1@106.85,154.77
  Bottom Layer w0.3: Q15.1@90,128.84 94.775,128.84 CC5.2@98,132.065
NetCC6_1: CC6.1 DZ2.1 JU2.1 Q16.2 | length 40.9
  Top Layer w0.3: JU2.1@107.125,40.12 108.153,41.148 108.153,48.752 DZ2.1@107.125,49.78
  Bottom Layer w0.3: Q16.2@90,69.55 95.829,69.55 CC6.1@98.11,67.27 ; CC6.1@98,67.16 CC6.1@98.11,67.27 ; DZ2.1@107.125,49.78 105.766,51.139 105.766,59.614 CC6.1@98.11,67.27
NetCC7_1: CC7.1 QI.9 QI.13 RFB1.1 RFB2.2 | length 61.5
  Top Layer w0.3: QI.9@25.265,135.632 29.515,135.632 30.683,134.463 30.683,129.235 32.512,129.235 32.512,136.627 28.427,140.712 ; QI.13@25.265,140.712 28.427,140.712 ; RFB1.1@42.415,134.997 37.065,140.347 RFB2.2@37.065,145.157 32.62,140.712 28.427,140.712
  Bottom Layer w0.3: RFB1.1@42.415,134.997 48.166,134.997 CC7.1@50.715,137.546
NetCC7_2: CC7.2 JU5.1 RFB1.2 | length 31.7
  Bottom Layer w0.3: RFB1.2@42.415,145.157 44.946,142.626 CC7.2@50.715,142.626 57.315,142.626 JU5.1@68.44,153.752
NetD3_2: D3.2 JU1.2 | length 7.2
  Bottom Layer w0.3: JU1.2@106.85,157.31 109.44,159.9 D3.2@113,159.9
NetD4_1: D4.1 JU2.2 | length 7.3
  Bottom Layer w0.3: JU2.2@107.125,42.66 109.575,42.66 D4.1@113,46.085
NetD5_1: D5.1 Q11.3 | length 27.8
  Top Layer w0.3: Q11.3@113,111.12 114.122,111.12 114.122,136.223 D5.1@113,137.345
NetD5_2: D5.2 Q9.3 R17.2 | length 78.4
  Top Layer w0.3: R17.2@107.125,118.74 107.854,119.469 107.854,127.375 107.315,127.914 106.756,127.914 105.846,128.825 105.846,129.925 106.502,130.581 108.763,130.581 110.261,132.08 110.261,142.226 D5.2@113,144.965 ; v1(136.535,109.287) 144.135,109.287 v1(144.882,110.033)
  Bottom Layer w0.3: R17.2@107.125,118.74 108.238,117.627 128.194,117.627 v1(136.535,109.287) ; v1(144.882,110.033) 146.613,110.033 Q9.3@148.54,111.96
NetD6_1: D6.1 Q10.3 R18.1 | length 94.1
  Top Layer w0.3: R18.1@107.125,81.48 108.129,80.476 108.129,71.753 107.632,71.256 107.112,71.256 106.121,70.265 106.121,69.215 106.629,68.707 108.585,68.707 113,64.292 D6.1@113,59.19 ; v1(134.01,48.59) 148.54,63.12 Q10.3@148.54,83.42
  Bottom Layer w0.3: D6.1@113,59.19 123.6,48.59 v1(134.01,48.59)
NetD6_2: D6.2 Q12.3 | length 27.2
  Top Layer w0.3: D6.2@113,66.81 111.023,68.787 111.023,90.903 111.76,91.64 Q12.3@113,91.64
NetD31_2: D31.2 D32.1 | length 9.6
  Top Layer w0.3: D32.1@68.44,136.968 73.267,141.795 D31.2@73.267,144.61
NetD33_1: D33.1 D34.2 | length 9.6
  Top Layer w0.3: D33.1@78.094,136.99 82.921,141.817 D34.2@82.921,144.61
NetD35_1: D35.1 D37.2 | length 4.8
  Top Layer w0.3: D35.1@7.815,161.725 D37.2@7.815,166.55
NetD35_2: D35.2 Q35.1 R37.1 | length 81.6
  Top Layer w0.3: R37.1@7.815,149.275 8.687,149.275 8.687,154.813 7.815,155.685 D35.2@7.815,158.425 7.815,160.02 7.036,160.799 7.036,170.761 14.225,177.95 31.1,177.95 32.825,176.225 32.825,159.968 31.709,158.852 29.061,158.852 28.234,158.025 28.234,156.652 29.185,155.702 29.185,151.052 Q35.1@29.195,151.052
NetD36_1: D36.1 R38.1 | length 16.2
  Top Layer w0.3: R38.1@7.815,129.175 7.036,129.175 7.036,114.935 7.569,114.402 7.965,114.402 D36.1@7.965,114.42
NetD36_2: D36.2 D38.1 | length 27.6
  Top Layer w0.3: D38.1@7.815,124.441 7.815,124.689 8.687,125.56 8.687,129.946 6.96,129.946 6.426,129.413 6.426,112.395 7.442,111.379 7.965,111.379 D36.2@7.965,111.12
NetDZ3_1: DZ3.1 Q17.1 | length 9.9
  Bottom Layer w0.3: Q17.1@74.925,104.38 81.85,104.38 DZ3.1@83.925,106.455
NetDZ3_2: DZ3.2 Q15.3 R19.1 | length 32.3
  Top Layer w0.3: DZ3.2@83.925,114.075 91.389,121.539 91.389,132.031 Q15.3@90,133.42
  Bottom Layer w0.3: R19.1@74.775,113.745 79.172,113.745 79.502,114.075 DZ3.2@83.925,114.075
NetDZ4_1: DZ4.1 Q16.3 R20.2 | length 22.5
  Top Layer w0.3: DZ4.1@84.05,82.08 90,76.13 Q16.3@90,71.84
  Bottom Layer w0.3: R20.2@75.025,84.03 76.975,82.08 DZ4.1@84.05,82.08
NetDZ4_2: DZ4.2 Q18.1 | length 9.6
  Bottom Layer w0.3: Q18.1@75.05,91.06 82.69,91.06 DZ4.2@84.05,89.7
NetJU3_2: JU3.2 R17.1 | length 22
  Top Layer w0.3: JU3.2@106.85,129.38 108.408,127.822 108.408,109.863 R17.1@107.125,108.58
NetJU4_2: JU4.2 R18.2 | length 23.2
  Top Layer w0.3: JU4.2@107.125,69.72 108.683,71.278 108.683,90.082 R18.2@107.125,91.64
NetLED1_K: LED1.K RL1.2 | length 18.9
  Top Layer w0.3: LED1.K@22.165,33.64 22.165,32.817 22.555,32.817 26.416,28.956 30.001,28.956 30.89,29.845 RL1.2@30.89,37.26
NetLED2_K: LED2.K RL2.2 | length 9.8
  Top Layer w0.3: LED2.K@22.39,54.55 27.665,54.55 RL2.2@30.89,57.775
NetQ1_1: Q1.1 Q5.1 Q7.1 R9.2 | length 83.3
  Top Layer w0.3: Q1.1@146.1,160.325 147.752,161.977 147.752,182.798 Q5.1@146.1,184.45
  Bottom Layer w0.3: Q7.1@106.85,170.69 107.97,169.57 115.53,169.57 R9.2@125.25,159.85 125.25,166.398 143.302,184.45 Q5.1@146.1,184.45
NetQ2_1: Q2.1 Q6.1 Q8.1 R10.1 | length 79.6
  Top Layer w0.3: R10.1@125.25,39.75 125.25,32.103 133.426,23.927 143.577,23.927 Q6.1@146.1,26.45 147.752,28.102 147.752,48.903 Q2.1@146.1,50.555
  Bottom Layer w0.3: Q8.1@107.125,32.37 114.505,39.75 R10.1@125.25,39.75
NetQ11_2: Q11.2 R7.1 R13.1 | length 38
  Top Layer w0.3: Q11.2@113,109.85 111.905,109.85 111.582,110.172 111.582,117.322 R13.1@113,118.74
  Bottom Layer w0.3: Q11.2@113,109.85 111.582,109.85 111.582,107.671 112.226,107.027 R7.1@135,107.027
NetQ12_2: Q12.2 R8.2 R14.2 | length 38
  Top Layer w0.3: R14.2@113,81.48 111.582,82.898 111.582,90.37 Q12.2@113,90.37
  Bottom Layer w0.3: Q12.2@113,90.37 111.582,90.37 111.582,92.267 112.395,93.08 R8.2@135,93.08
NetQ15_2: Q15.2 R15.1 TP3.1 | length 31.1
  Top Layer w0.3: Q15.2@90,131.13 89.491,131.13 88.621,132 88.621,143.231 R15.1@90,144.61 91.11,145.72 91.11,158.79 TP3.1@90,159.9
NetQ16_1: Q16.1 R16.1 TP4.1 | length 28.2
  Top Layer w0.3: TP4.1@90,40 R16.1@90,45.2 91.11,46.31 91.11,66.15 Q16.1@90,67.26
NetQ19_1: Q19.1 Q20.1 TPMIDMV.1 | length 30.7
  Top Layer w0.3: TPMIDMV.1@135,99.975 135,102.071 134.961,102.11 134.961,102.971 135,103.01 135,104.418 138.709,108.128 v1(144.932,108.128) ; Q20.1@148.54,97.513 147.142,98.911 147.142,105.629 Q19.1@148.54,107.027
  Bottom Layer w0.3: v1(144.932,108.128) 146.034,107.027 Q19.1@148.54,107.027
NetQ19_3: Q19.3 R21.1 RVMV.1 | length 54.7
  Top Layer w0.3: v1(136,102.54) 138.083,100.457 143.307,100.457 v1(144.678,101.829)
  Bottom Layer w0.3: R21.1@98,108.58 104.04,102.54 RVMV.1@127,102.54 v1(136,102.54) ; v1(144.678,101.829) 145.296,102.447 Q19.3@148.54,102.447
NetQ20_3: Q20.3 R22.2 RMVM.1 | length 69.1
  Top Layer w0.3: v1(140.614,99.238) 142.236,99.238 Q20.3@148.54,92.933
  Bottom Layer w0.3: RMVM.1@107.025,96.045 102.62,91.64 R22.2@98,91.64 107.655,101.295 129.007,101.295 131.343,98.958 140.335,98.958 v1(140.614,99.238)
NetQ31_2: Q31.2 QI.3 QI.4 | length 12.3
  Top Layer w0.3: Q31.2@13.69,149.152 14.605,149.152 17.78,145.977 17.78,142.617 18.415,141.982 QI.3@19.815,141.982 QI.4@19.815,140.712
NetQ31_3: Q31.3 R31.1 | length 38.5
  Top Layer w0.3: Q31.3@16.09,150.102 17.665,150.102 v1(18.034,149.733)
  Bottom Layer w0.3: v1(18.034,149.733) 39.802,149.733 43.536,153.467 43.536,155.778 43.18,156.134 38.177,156.134 R31.1@37.065,155.022
NetQ32_2: Q32.2 QI.7 QI.8 | length 13.2
  Top Layer w0.3: Q32.2@13.69,129.052 13.538,129.052 13.538,129.446 12.786,130.198 12.786,131.908 16.51,135.632 QI.8@19.815,135.632 QI.7@19.815,136.902
NetQ32_3: Q32.3 R32.1 | length 29.8
  Top Layer w0.3: Q32.3@16.09,130.002 16.099,129.277 v1(17.543,127.867)
  Bottom Layer w0.3: v1(17.543,127.867) 27.962,127.867 37.065,118.764 R32.1@37.065,115.034
NetQ35_2: Q35.2 RV1.3 | length 8.8
  Top Layer w0.3: Q35.2@29.195,149.152 30.165,150.122 RV1.3@30.165,157.574
NetQ35_3: Q35.3 QI.14 QI.16 | length 14
  Top Layer w0.3: QI.14@25.265,141.982 26.467,141.982 26.467,144.145 26.09,144.522 ; QI.16@25.265,144.522 26.09,144.522 ; Q35.3@31.595,150.102 31.369,150.102 31.369,147.599 28.291,144.522 26.09,144.522
NetQ36_2: Q36.2 RV2.3 | length 13.4
  Top Layer w0.3: Q36.2@29.195,129.052 30.137,129.052 30.137,128.085 31.471,126.751 31.471,118.667 RV2.3@30.39,117.587
NetQ36_3: Q36.3 QI.10 QI.12 | length 16.4
  Top Layer w0.3: QI.12@25.265,139.442 24.447,139.442 24.079,139.073 24.079,137.27 24.447,136.902 QI.10@25.265,136.902 29.24,136.902 31.521,134.62 31.521,130.002 Q36.3@31.595,130.002
NetQ37_2: Q37.2 QI.1 QI.2 | length 7
  Top Layer w0.3: QI.2@19.815,143.252 QI.1@19.815,144.522 19.812,144.522 19.812,148.644 20.32,149.152 Q37.2@21.165,149.152
NetQ38_2: Q38.2 QI.5 QI.6 | length 12.2
  Top Layer w0.3: QI.5@19.815,139.442 QI.6@19.815,138.172 20.654,138.172 21.031,137.795 21.031,134.941 20.244,134.153 20.244,130.505 20.815,129.934 20.815,129.175 Q38.2@21.165,129.175
NetR11_1: R11.1 R12.2 | length 74.4
  Top Layer w0.3: R12.2@135,72.26 136.119,73.379 136.119,94.209 133.883,96.444 133.883,108.128 147.752,121.996 147.752,126.517 147.32,126.949 142.367,126.949 142.258,126.84 R11.1@135,126.84
NetR33_2: R33.2 RV1.1 RV1.2 TP9.1 | length 48.9
  Top Layer w0.3: R33.2@14.89,161.129 18.434,161.129 20.635,158.928 25.56,158.928 26.746,160.114 RV1.2@30.165,160.114 RV1.1@30.165,162.654
  Bottom Layer w0.3: TP9.1@7.815,175.077 14.89,168.002 24.223,168.002 26.85,165.375 26.85,163.43 RV1.2@30.165,160.114
NetR34_2: R34.2 RV2.1 RV2.2 TP10.1 | length 51.3
  Top Layer w0.3: R34.2@14.89,121.141 17.543,121.141 19.736,118.948 29.211,118.948 RV2.2@30.39,120.127 RV2.1@30.39,122.667
  Bottom Layer w0.3: TP10.1@7.965,105.102 9.576,106.713 9.576,110.49 20.295,121.209 28.932,121.209 RV2.1@30.39,122.667
NetR35_1: R35.1 RVC1.3 | length 24.5
  Bottom Layer w0.3: RVC1.3@22.165,157.574 28.61,151.13 38.523,151.13 R35.1@42.415,155.022
NetR36_1: R36.1 RVC2.3 | length 22
  Bottom Layer w0.3: RVC2.3@22.39,117.587 26.058,113.919 41.3,113.919 R36.1@42.415,115.034
NetRVMV_2: RVMV.2 RVMV.3 | length 2.5
  Top Layer w0.3: RVMV.3@127,97.46 RVMV.2@127,100
POS_DIFF_OUT: CC5.1 Q17.2 Q37.3 RVC1.1 RVC1.2 TP7.1 | length 183.4
  Top Layer w0.3: RVC1.2@22.165,160.114 RVC1.1@22.165,162.654 ; Q37.3@23.565,150.102 23.546,150.102 23.546,154.026 21.082,156.489 21.082,157.404 18.263,160.223 13.811,160.223 13.811,162.033 21.543,162.033 RVC1.1@22.165,162.654 ; TP7.1@30.165,175.077 30.165,170.655 RVC1.1@22.165,162.654 ; v1(89.002,165.303) 96.622,157.683 96.622,128.363 CC5.1@98,126.985
  Bottom Layer w0.3: TP7.1@30.165,175.077 32.547,172.695 81.61,172.695 v1(89.002,165.303) ; Q17.2@74.925,105.65 78.447,105.65 88.722,115.926 88.722,117.707 CC5.1@98,126.985
VBM1: CC2.2 DZ1.1 JU3.1 Q19.2 R21.2 | length 115.6
  Top Layer w0.3: CC2.2@98,101.157 98,104.311 96.876,105.435 96.876,117.616 R21.2@98,118.74 104.013,124.753 104.013,138.493 105.292,139.772 ; JU3.1@106.85,126.84 105.292,128.398 105.292,139.772 ; DZ1.1@106.85,141.33 105.292,139.772 ; v1(140.767,106.832) 144.336,106.832 v1(144.971,106.197)
  Bottom Layer w0.3: R21.2@98,118.74 99.123,119.863 127.737,119.863 v1(140.767,106.832) ; v1(144.971,106.197) 146.432,104.737 Q19.2@148.54,104.737
VBM2: CC2.1 DZ2.2 JU4.1 Q20.2 R22.1 | length 167.1
  Top Layer w0.3: CC2.1@98,98.657 99.111,97.546 99.111,82.591 R22.1@98,81.48 103.302,76.178 103.302,41.859 106.426,38.735 107.239,38.735 108.712,40.208 108.712,55.813 DZ2.2@107.125,57.4 JU4.1@107.125,67.18 ; v1(140.589,104.216) 143.993,104.216 145.974,102.235 145.974,97.257 147.422,95.809 148.54,95.809 Q20.2@148.54,95.223
  Bottom Layer w0.3: CC2.1@98,98.657 96.825,99.832 96.825,109.22 97.307,109.703 108.356,109.703 113.843,104.216 v1(140.589,104.216)
pads on no net: CC1.0 CC2.0 CC3.0 CC4.0 CC5.0 CC6.0 CC7.0 CF5.0 CF6.0 CF7.0 CF8.0 CF11.0 CF12.0 CF33.0 CF34.0 CF37.0 CF38.0 Q36.1 QI.11 R20.1 RMVM.2

## Polygon pours and split planes (outlines as drawn)
GND on Top Layer "GND_L01_P012" (solid, remove dead copper, pour order 12): 7.115,151.499 0,151.5 0,60.25 10.825,60.25 10.825,121.825 11,122 11,143.252 11.05,143.302 11.05,151.425
no net on Top Layer "Top Layer-No Net" (solid, remove dead copper, pour order 2): 0.065,15
no net on Top Layer "Top Layer-No Net 1" (solid, remove dead copper, pour order 0): 0.065,15
GND on Bottom Layer "GND_L02_P010" (solid, remove dead copper, pour order 10): 100.495,200 100.495,149.445 71.323,120.273 71.323,71.296 70.978,70.951 70.93,71 0,71 0.065,179.935 0,180 20,200 56.7,200 89.6,200
GND on Bottom Layer "GND_L02_P006" (solid, remove dead copper, pour order 6): 20,0 0.065,19.935 0.065,20 20,0.065 20,0.105 0.065,20.04 0,20.04 0,70.935 0.065,71 87.292,71 87.542,71.25 87.542,33.83 101,20.372 101,0

## Silkscreen, mask and mechanical layers (free items; w line width, h text height)
Top Overlay:
  text "Circuitos 2" at 20.475,197.3 h1.52 r270
  text "Diego Luna" at 17.525,196.525 h1.52 r270
Mechanical 3:
  lines w0.05: 149.996,200 150,199.996 ; 150,0.004 150.004,0
  lines w0.1: 0,0 0,200 150,200 150,0 0,0

## Text inside footprints (layer, text, board x,y; h text height)
CAF: Top Overlay "+" at 59.453,146.346 h1.5 r270
CAI: Top Overlay "+" at 14.263,82.3 h1.5 r270
CCF32: Top Overlay "+" at 59.453,123.932 h1.5 r270
CF1: Top Overlay "+" at 115.74,20.952 h1.5 r270
CF2: Top Overlay "+" at 94.416,20.952 h1.5 r270
CF3: Top Overlay "+" at 73.071,20.952 h1.5 r270
CF4: Top Overlay "+" at 51.696,20.952 h1.5 r270
CF9: Top Overlay "+" at 73.071,47.985 h1.5 r270
CF10: Top Overlay "+" at 51.696,48.225 h1.5 r270
CF31: Top Overlay "+" at 59.453,163.92 h1.5 r270
CF35: Top Overlay "+" at 51.452,60.305 h1.5 r270
CF36: Top Overlay "+" at 72.827,59.94 h1.5 r270
CF39: Top Overlay "+" at 41.113,87.758 h1.5 r270
CF40: Top Overlay "+" at 41.013,77.508 h1.5 r270
JI: Mechanical 4 "PCB EDGE" at 1.205,83.75 h1.88 r270; Mechanical 4 "PCB EDGE" at 1.205,83.75 h1.88 r270
?: Top Overlay "FIUBA" at 23.559,197.086 h3.5 r270